# Altium PCB PLD.PcbDoc (part 4 of 5)
Units mm, origin at the board's own origin, x right, y up, seen from the top; angles counter-clockwise.
Board outline 90.25 x 94.44 mm, 6 copper layers (Top, GND, Signal Layer 1, Power, Signal2, Bottom), stack 1.297 mm thick; 378 components, 254 nets, 1301 pads, 704 vias.
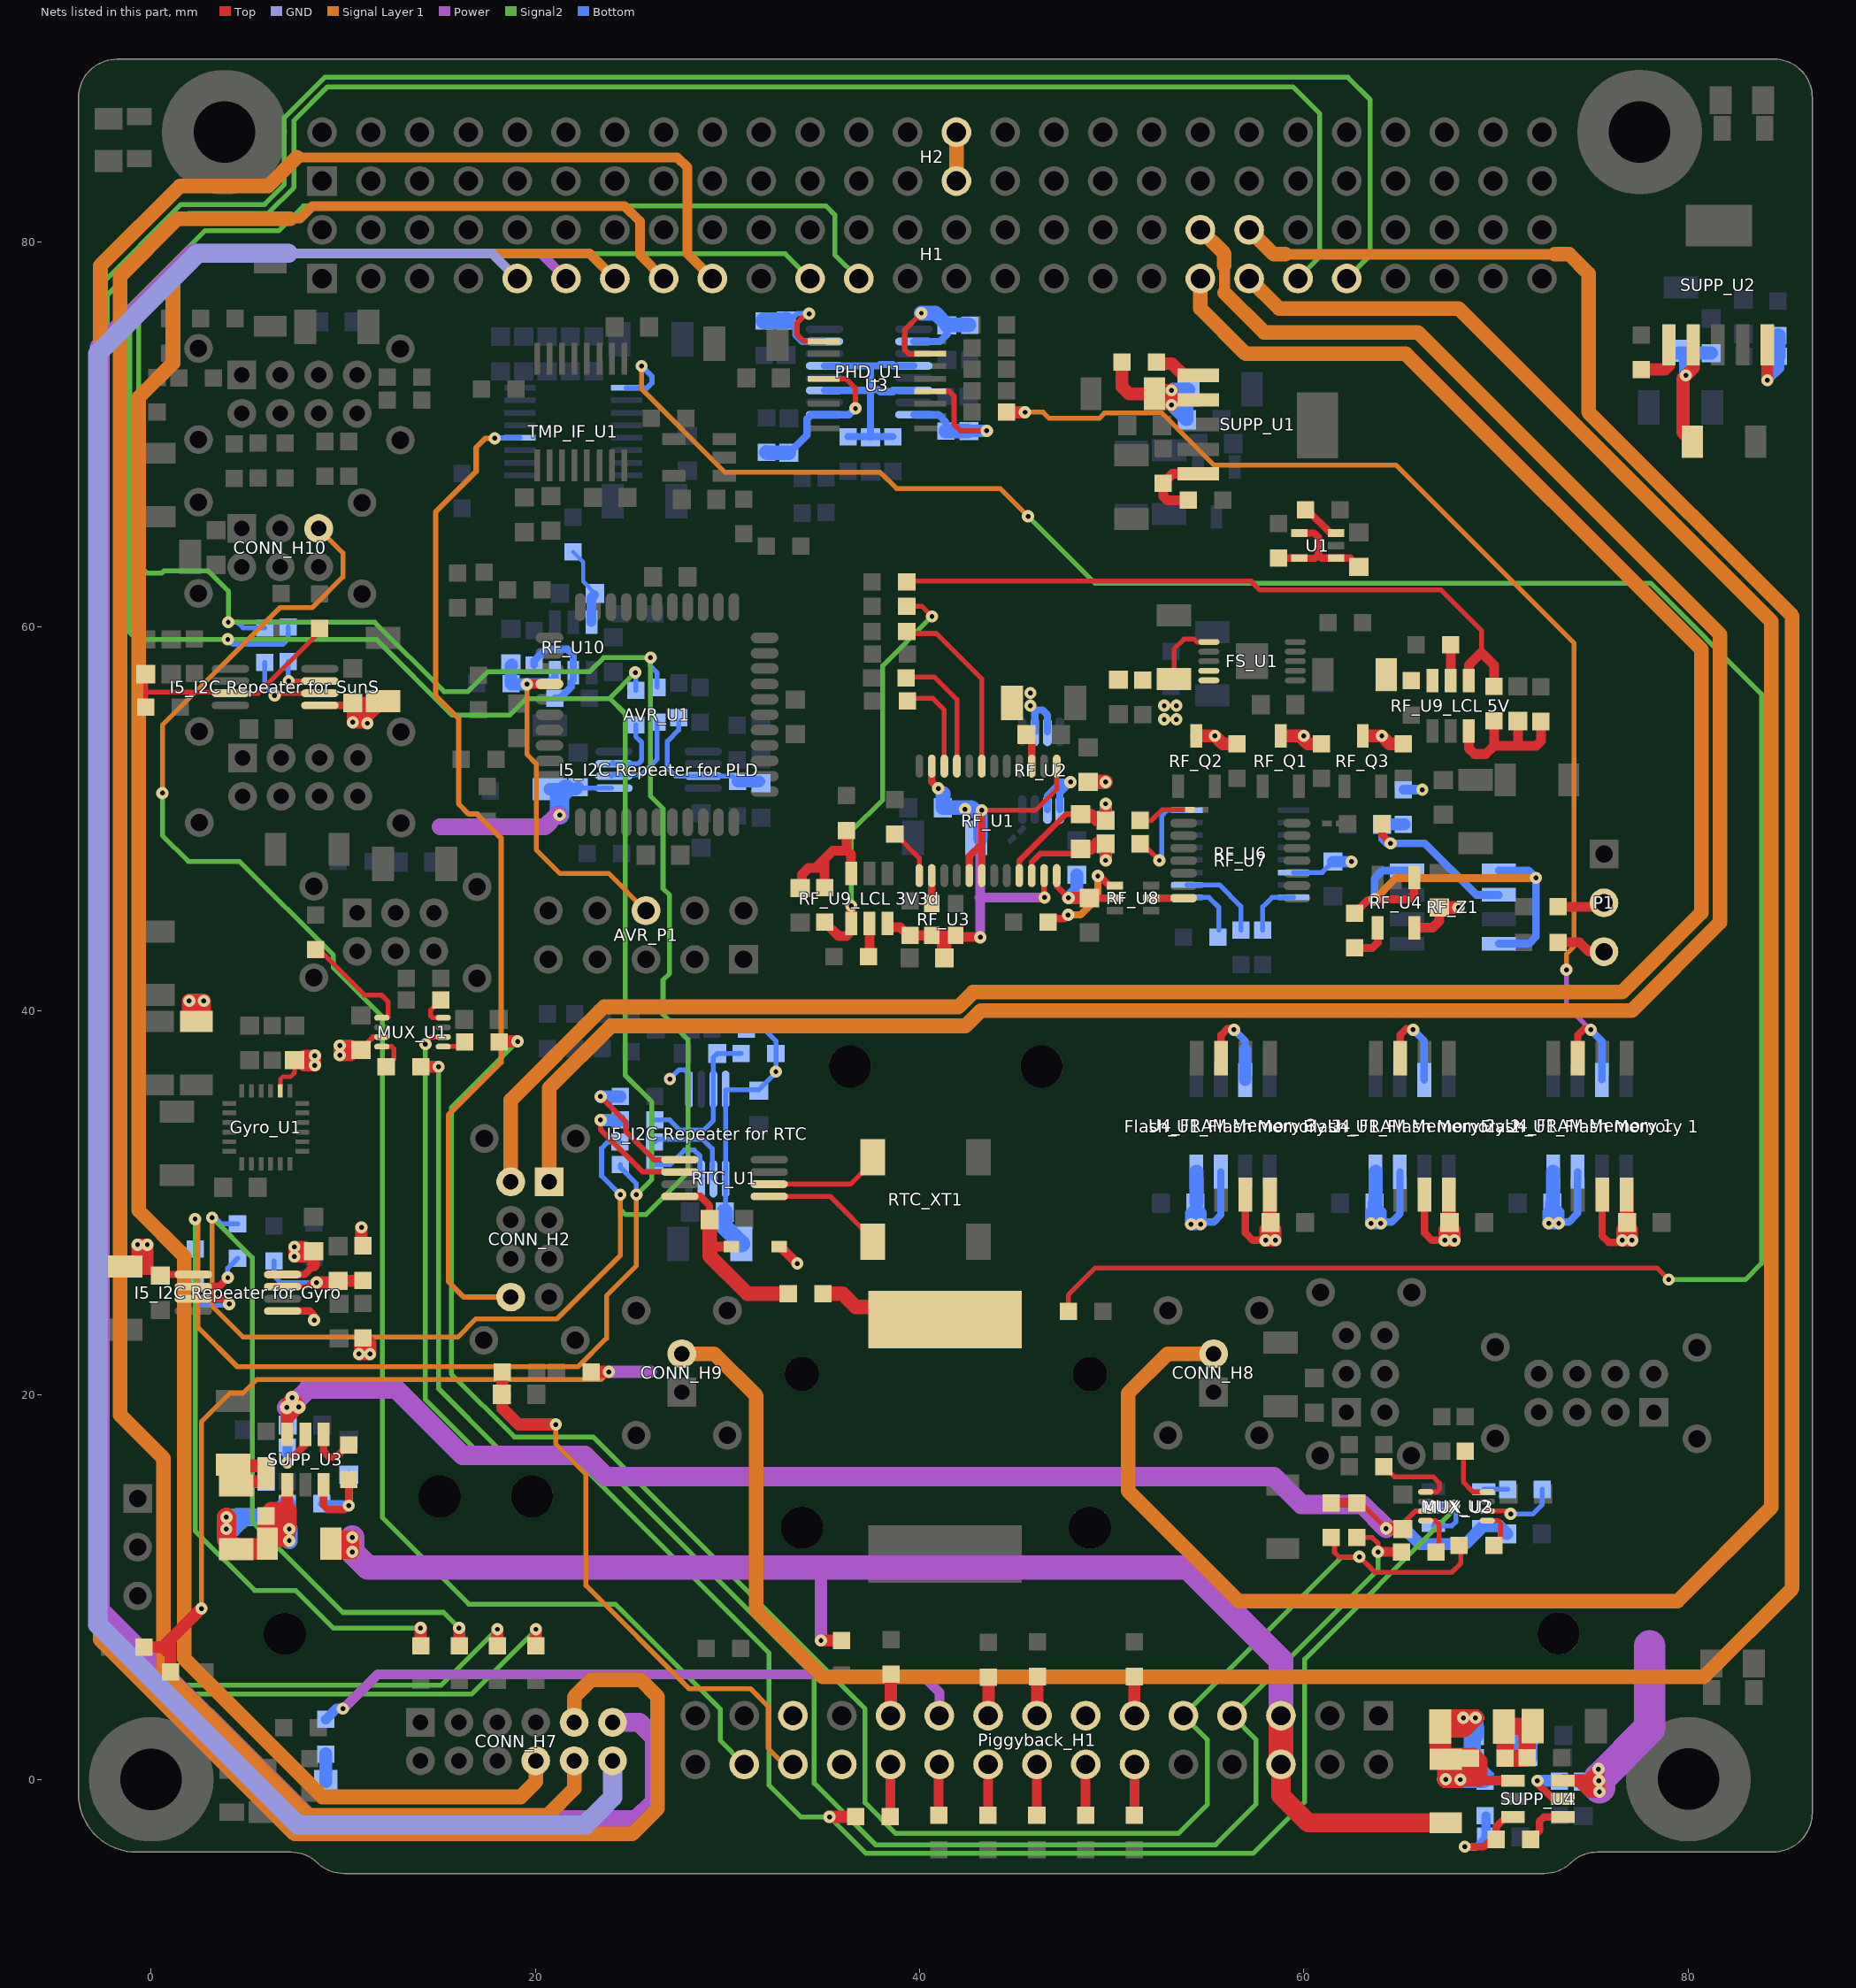
[diagram p8: the nets of this part, all layers, seen from the top]

## Via types
v1: diameter 0.635, hole 0.25, Top to Bottom, 701 vias
v2: diameter 0.7, hole 0.25, Top to Bottom, 3 vias

## Nets (pads, with @x,y where several pads share a name; then routed paths per layer and width w, separated by ;. In a path a pad name is that pad's centre, name@x,y a point inside that pad or via, vN(x,y) a via of type N, cw(c..) or ccw(c..) an arc to the next point about the centre after c; other vN are vias at no path point) (continued)
"NetI2_I2C Repeater for Gyro_2": "I2_I2C Repeater for Gyro.2" "I3_I2C Repeater for Gyro.2" "I5_I2C Repeater for Gyro.7" "I9_I2C Repeater for Gyro.1" | length 7.6
  Top w0.254: 6.842,25.642 8.086,25.642 v1@8.352,25.909 ; 9.469,25.642 9.724,25.898
  Top w0.508: 9.724,25.898 9.775,25.948
  Top w0.635: v1(8.607,25.858) 9.634,25.858 9.724,25.948 9.775,25.948 10.918,25.948 10.943,25.974
  GND w0.254: v1@8.581,25.883 v1(8.607,25.858)
  Bottom w0.254: 6.397,26.99 6.397,26.191 6.73,25.858 v1(8.607,25.858)
"NetI2_I2C Repeater for PLD_2": "I2_I2C Repeater for PLD.2" "I3_I2C Repeater for PLD.2" "I5_I2C Repeater for PLD.7" "I9_I2C Repeater for PLD.1" | length 7.7
  Bottom w0.254: 27.453,55.031 27.453,54.611 26.869,54.026 26.869,52.642 27.288,52.223 28.737,52.223 30.246,52.223 30.527,51.942
  Bottom w0.635: 30.527,51.942 31.633,51.942
"NetI2_I2C Repeater for RTC_2": "I2_I2C Repeater for RTC.2" "I3_I2C Repeater for RTC.2" "I5_I2C Repeater for RTC.7" "I9_I2C Repeater for RTC.1" | length 8.3
  Bottom w0.254: 26.22,34.316 26.996,34.316 27.522,33.79 28.768,33.79 29.263,34.286 29.263,35.912 29.263,37.577 29.464,37.778 30.712,37.778
"NetI2_I2C Repeater for SunS_2": "I2_I2C Repeater for SunS.2" "I3_I2C Repeater for SunS.2" "I5_I2C Repeater for SunS.7" "I9_I2C Repeater for SunS.1" | length 13.2
  Top w0.254: -0.294,55.804 -0.294,57.51 -0.283,57.521 -0.283,56.632 -0.236,56.585 4.123,56.585 4.123,56.528 5.571,56.528 8.759,59.716 8.759,59.908
"NetI3_I2C Repeater for RTC_1": "I3_I2C Repeater for RTC.1" RTC_U1.6 | length 6.6
  Top w0.279: v1(23.389,34.316) 23.389,33.811 25.59,31.611 RTC_U1.6@27.516,31.611
  Bottom w0.635: v1(23.389,34.316) 24.42,34.316
"NetI4_I2C Repeater for Gyro_1": "I4_I2C Repeater for Gyro.1" "I5_I2C Repeater for Gyro.2" | length 3.2
  Top w0.381: 2.192,25.642 3.514,25.642 v1(3.984,26.112)
  Bottom w0.254: v1(3.984,26.112) 3.984,26.609 4.492,27.117
"NetI4_I2C Repeater for PLD_1": "I4_I2C Repeater for PLD.1" "I5_I2C Repeater for PLD.2" | length 4.7
  Bottom w0.254: 23.96,52.223 24.024,52.287 25.523,52.287 26.336,53.099 26.336,55.031
"NetI4_I2C Repeater for RTC_1": "I4_I2C Repeater for RTC.1" "I5_I2C Repeater for RTC.2" | length 4.8
  Bottom w0.254: 26.194,33.173 26.329,33.308 28.717,33.308 29.199,32.825 29.199,31.326 29.263,31.262
"NetI4_I2C Repeater for SunS_1": "I4_I2C Repeater for SunS.1" "I5_I2C Repeater for SunS.2" | length 4.3
  Top w0.254: v1(6.422,56.414) 6.524,56.516 8.773,56.516 8.773,56.528
  Bottom w0.254: 5.914,58.13 5.914,56.922 v1(6.422,56.414)
"NetI5_I2C Repeater for Gyro_3": "I5_I2C Repeater for Gyro.3" "I7_I2C Repeater for Gyro.1" | length 4.7
  Top w0.381: 2.192,25.007 3.793,25.007 v1(4.06,24.74)
  Bottom w0.254: 2.282,25.796 2.282,24.943 2.549,24.677 v1@3.997,24.677
  Bottom w0.381: v1@3.997,24.677 v1(4.06,24.74)
"NetI5_I2C Repeater for PLD_3": "I5_I2C Repeater for PLD.3" "I7_I2C Repeater for PLD.1" | length 3.6
  Bottom w0.254: 23.96,52.858 24.024,52.922 ; 24.087,52.858 25.345,52.858 25.523,53.036 25.523,53.976 25.218,54.28 25.218,54.879
"NetI5_I2C Repeater for RTC_3": "I5_I2C Repeater for RTC.3" "I7_I2C Repeater for RTC.1" | length 4
  Bottom w0.254: 26.22,32.005 27.022,32.005 27.766,32.749 28.26,32.749 28.564,32.444 28.564,31.326 28.628,31.262
"NetI5_I2C Repeater for SunS_3": "I5_I2C Repeater for SunS.3" "I7_I2C Repeater for SunS.1" | length 2.6
  Top w0.254: v1(7.146,57.163) 8.773,57.163
  Bottom w0.254: 7.133,58.181 7.133,57.176 v1(7.146,57.163)
"NetI6_I2C Repeater for RTC_1": "I6_I2C Repeater for RTC.1" RTC_U1.5 | length 6.8
  Top w0.279: v1(23.389,35.535) 24.71,34.214 24.71,33.71 26.174,32.246 RTC_U1.5@27.516,32.246
  Bottom w0.635: v1(23.389,35.535) 24.42,35.535
NetMCU_R14_2: MCU_R14.2 P1.3 | length 2.6
  Top w0.5: MCU_R14.2@73.239,43.561 74.346,43.561 74.828,43.078 P1.3@75.616,43.078
NetMCU_R15_2: MCU_R15.2 P1.2 | length 2.5
  Top w0.5: MCU_R15.2@73.239,45.415 75.413,45.415 P1.2@75.616,45.618
NetMCU_R16_2: "RF_R8_LCL 5V.1" "RF_U9_LCL 5V.4" MCU_R16.2 | length 35.8
  Top w0.254: MCU_R16.2@39.395,62.358 57.251,62.358 57.709,61.9 67.132,61.9 69.236,59.796 69.236,58.649
  Top w0.508: 68.586,57.191 68.586,57.999 69.236,58.649 69.897,57.989 69.897,56.882
NetMCU_R17_2: "RF_R8_LCL 3V3d.1" "RF_U9_LCL 3V3d.4" MCU_R17.2 | length 21.5
  Top w0.254: MCU_R17.2@39.326,61.062 40.107,61.062 v1(40.64,60.528)
  Top w0.508: 35.048,44.617 35.781,43.885 36.184,43.885 36.435,44.136 36.435,44.538 v1(36.435,45.466)
  Signal2 w0.254: v1(36.435,45.466) 36.435,49.338 38.075,50.978 38.075,57.963 v1(40.64,60.528)
NetMUX_R3_1: MUX_R3.1 MUX_U1.8 | length 1.8
  Top w0.254: MUX_R3.1@15.069,40.564 14.535,40.03 14.535,39.741 14.638,39.639 MUX_U1.8@15.2,39.639
NetMUX_R4_1: MUX_R4.1 MUX_U1.1 | length 6.1
  Top w0.254: MUX_R4.1@8.556,43.195 8.719,43.195 11.096,40.818 11.985,40.818 12.34,40.463 12.34,39.675 12.304,39.639 MUX_U1.1@12,39.639
NetMUX_R5_2: MUX_R5.2 MUX_U1.5 | length 1.2
  Top w0.254: MUX_U1.5@15.2,38.139 16.076,38.139 MUX_R5.2@16.317,38.38
NetMUX_R6_2: MUX_R6.2 MUX_U1.4 | length 1.8
  Top w0.254: MUX_U1.4@12,38.139 12.505,38.139 12.62,38.024 12.62,37.477 MUX_R6.2@12.228,37.085
NetMUX_R9_2: MUX_R9.2 MUX_U2.8 | length 3.1
  Top w0.254: MUX_R9.2@68.297,17.084 68.297,15.469 68.806,14.96 MUX_U2.8@69.541,14.96
NetMUX_R10_2: MUX_R10.2 MUX_U2.1 | length 4.3
  Top w0.254: MUX_R10.2@64.167,16.282 64.701,15.749 66.722,15.749 67.052,15.418 67.052,15.088 66.924,14.96 MUX_U2.1@66.341,14.96
NetMUX_R11_1: MUX_R11.1 MUX_U2.5 | length 2
  Top w0.254: MUX_U2.5@69.541,13.46 70.102,13.46 70.227,13.336 70.227,12.512 MUX_R11.1@69.882,12.167
NetMUX_R12_1: MUX_R12.1 MUX_U2.4 | length 1.9
  Top w0.254: MUX_U2.4@66.341,13.46 66.851,13.46 67.027,13.285 67.027,12.283 MUX_R12.1@66.911,12.167
NetMUX_R13_1: MUX_R13.1 MUX_U2.6 | length 3.9
  Top w0.254: MUX_U2.6@69.541,13.96 70.618,13.96 v1(70.76,13.818)
  Bottom w0.254: v1(70.76,13.818) 71.929,13.818 72.397,14.286 MUX_R13.1@72.397,15.088
NetMUX_R13_2: MUX_R13.2 MUX_U3.4 | length 1.2
  Bottom w0.254: MUX_U3.4@69.353,15.098 70.587,15.098 MUX_R13.2@70.597,15.088
NetMUX_R14_1: MUX_R14.1 MUX_U1.6 MUX_U3.1 MUX_U3.2 | length 103.7
  Top w0.254: v1(14.271,38.266) 14.271,38.355 14.555,38.639 MUX_U1.6@15.2,38.639
  Top w0.635: v1(35.302,-1.955) MUX_R14.1@36.75,-1.955
  Signal2 w0.254: v1(14.271,38.266) 14.271,19.765 17.526,16.51 22.225,16.51 32.152,6.583 32.152,-0.301 33.807,-1.955 v1(35.302,-1.955) 37.207,-3.86 57.354,-3.86 60.042,-1.172 60.042,6.249 67.814,14.021 v1(67.814,14.25)
  Bottom w0.254: MUX_U3.1@66.733,13.198 67.702,13.198 67.916,13.412 67.916,14.123 67.814,14.225 v1(67.814,14.25) 66.834,14.25 MUX_U3.2@66.733,14.148
NetOBC_D1_1: OBC_D1.1 OBC_R1.1 | length 1.4
  Bottom w0.686: OBC_D1.1@9.084,-0.118 OBC_R1.1@9.084,1.318
NetRF_C3_1: RF_C3.1 RF_C4.1 RF_U1.15 RF_U2.6 RF_U2.7 | length 4.1
  Top w0.381: RF_U1.15@45.832,52.736 RF_C3.1@45.832,54.107
  Bottom w0.381: RF_U2.6@45.995,54.527 45.995,55.653 46.386,55.653 46.645,55.394 RF_U2.7@46.645,54.527
  other v1: 45.767,55.881 45.767,56.541
NetRF_C9_2: RF_C9.2 RF_R3.2 RF_R5.1 RF_Z1.6 | length 10.7
  Top w0.406: RF_R5.1@64.066,49.734 64.066,49.164 v1(64.512,48.718)
  Bottom w0.406: RF_C9.2@64.066,49.708 64.066,48.961 64.309,48.718 v1@64.503,48.718 ; v1@64.33,48.891 v1@64.503,48.718 ; RF_Z1.6@70.149,46.036 68.972,46.036 66.29,48.718 v1(64.512,48.718) v1@64.503,48.718
  Bottom w0.61: RF_C9.2@64.066,49.708 RF_R3.2@65.172,49.708 RF_R3.2@65.238,49.708
NetRF_C17_2: RF_C17.2 RF_C18.1 RF_R14.2 RF_U1.9 | length 8.1
  Top w0.305: RF_U1.9@45.182,47.036 45.182,47.803 47.607,50.227 RF_C18.1@48.372,50.227
  Top w0.61: RF_C18.1@48.372,50.227 48.894,50.227 49.21,49.912 RF_R14.2@49.682,49.912 v1(49.682,50.775)
  Bottom w0.61: RF_C17.2@49.682,49.912 v1(49.682,50.775)
NetRF_C18_2: RF_C18.2 RF_C19.1 RF_R15.2 RF_U1.10 | length 6.2
  Top w0.305: RF_U1.10@45.832,47.036 45.832,47.734 46.282,48.184 48.129,48.184 RF_C18.2@48.372,48.427
  Top w0.61: RF_C18.2@48.372,48.427 48.92,48.427 RF_R15.2@49.236,48.743 ; v1(49.682,47.829) RF_R15.2@49.682,48.692
  Bottom w0.61: v1(49.682,47.829) RF_C19.1@49.682,48.692
NetRF_C21_1: RF_C21.1 RF_R28.1 RF_U10.3 | length 4.1
  Bottom w0.208: RF_R28.1@21.946,63.895 22.479,63.362 22.479,62.339 RF_C21.1@23.096,61.723
  Bottom w0.508: RF_U10.3@22.917,60.228 22.917,61.508 RF_C21.1@23.045,61.636
"NetRF_C22_LCL 3V3d_1": "RF_C22_LCL 3V3d.1" "RF_R8_LCL 3V3d.2" "RF_R9_LCL 3V3d.1" "RF_U9_LCL 3V3d.3" | length 7.9
  Top w0.508: 33.88,46.392 33.88,47.092 34.223,47.435 34.578,47.435 ; 35.048,46.417 35.048,47.308 34.985,47.372 34.985,47.435 34.578,47.435 ; 35.048,47.372 35.048,47.905 ; 36.191,49.393 36.191,48.388 36.242,48.337 ; 36.435,47.158 36.435,48.144 36.242,48.337 ; 34.578,47.435 35.048,47.905 ; 35.048,47.905 35.48,48.337 36.242,48.337
"NetRF_C22_LCL 5V_1": "RF_C22_LCL 5V.1" "RF_R8_LCL 5V.2" "RF_R9_LCL 5V.1" "RF_U9_LCL 5V.3" | length 8.6
  Top w0.508: 68.586,54.571 68.586,53.661 68.881,53.366 69.465,53.366 69.897,53.798 ; 69.897,55.082 69.897,53.798 ; 71.141,53.874 71.141,55.082 ; 72.335,55.057 72.335,54.052 72.081,53.798 69.897,53.798
NetRF_FB1_2: "RF_R20_LCL 5V.2" "RF_U9_LCL 5V.6" RF_FB1.2
NetRF_J2_1: RF_J2.1 RF_R14.1 | length 2.8
  Top w0.254: RF_R14.1@51.482,49.912 52.066,49.912 52.625,50.47 RF_J2.1@54.047,50.47
NetRF_R1_2: RF_R1.2 RF_U1.1 | length 2.7
  Top w0.254: RF_R1.2@38.706,49.189 38.742,49.189 39.982,47.949 RF_U1.1@39.982,47.036
NetRF_R2_2: RF_R2.2 RF_U1.22 | length 5.1
  Top w0.254: RF_R2.2@39.352,56.262 40.687,56.262 41.282,55.666 RF_U1.22@41.282,52.736
NetRF_R4_1: RF_R4.1 RF_U4.1 RF_Z1.4 RF_Z1.5 RF_Z1.8 | length 23.4
  Top w0.406: RF_R4.1@62.632,45.071 63.333,45.771 v1@63.674,45.771 ; v1(63.674,45.797) 65.452,45.797 65.742,46.087 RF_U4.1@65.742,46.947
  Signal Layer 1 w0.406: v1(63.674,45.797) 64.791,46.914 v1(72.081,46.914)
  Bottom w0.406: v1(63.674,45.797) 63.674,46.889 64.091,47.306 RF_Z1.4@65.369,47.306 ; RF_Z1.8@70.149,43.496 71.711,43.496 72.081,43.866 v1(72.081,46.914) 71.69,47.306 RF_Z1.5@70.149,47.306
NetRF_R4_2: RF_R4.2 RF_U4.4 | length 2.1
  Top w0.406: RF_R4.2@62.632,43.271 63.561,43.271 63.842,43.552 RF_U4.4@63.842,44.327
NetRF_R6_2: RF_R6.2 RF_U6.16 | length 3
  Bottom w0.254: RF_R6.2@57.857,44.208 57.857,45.416 58.343,45.902 RF_U6.16@59.464,45.902
NetRF_R7_2: RF_R7.2 RF_U8.1 | length 5.4
  Top w0.381: RF_R7.2@46.682,44.623 46.682,44.797 47.53,44.797 v1(47.725,44.992) ; v1(49.272,47.016) 49.374,47.016 49.875,46.514 RF_U8.1@50.151,46.514
  Signal Layer 1 w0.381: v1(47.725,44.992) 48.373,44.992 49.272,45.891 v1(49.272,47.016)
NetRF_R15_1: RF_R15.1 RF_U6.8 | length 5
  Top w0.254: RF_R15.1@51.482,48.692 51.609,48.692 v1(52.472,47.829)
  Bottom w0.254: v1@52.599,47.956 52.599,50.166 52.886,50.452 RF_U6.8@53.914,50.452
"NetRF_R19_LCL 3V3d_2": "RF_R19_LCL 3V3d.2" "RF_U9_LCL 3V3d.5" | length 1.6
  Top w0.508: 37.385,42.977 37.385,44.538
"NetRF_R19_LCL 5V_2": "RF_R19_LCL 5V.2" "RF_U9_LCL 5V.5" | length 1.9
  Top w0.508: 67.636,57.191 67.636,59.056
NetRF_R21_1: RF_R21.1 RF_R22.2 RF_U10.5 | length 5.4
  Bottom w0.381: RF_R22.2@19.935,57.992 19.935,58.233 20.518,58.816 21.676,58.816 21.967,58.526 RF_U10.5@21.967,57.608 21.967,57.201 21.865,57.1 21.865,56.871 21.27,56.276 RF_R21.1@21.016,56.276
NetRF_R23_2: RF_R23.2 RF_U6.2 | length 4.5
  Bottom w0.254: RF_U6.2@53.914,46.552 55.603,46.552 56.714,45.441 RF_R23.2@56.714,44.208
NetRF_R24_2: RF_R24.2 RF_U6.1 | length 3.1
  Bottom w0.254: RF_U6.1@53.914,45.902 55.06,45.902 55.571,45.39 RF_R24.2@55.571,44.208
NetRF_R25_2: RF_R25.2 RF_U1.21 | length 6.5
  Top w0.254: RF_R25.2@39.352,57.379 40.763,57.379 41.932,56.21 RF_U1.21@41.932,52.736
NetRF_R27_2: RF_R27.2 RF_U1.19 | length 9.4
  Top w0.254: RF_R27.2@39.352,59.64 40.865,59.64 43.232,57.272 RF_U1.19@43.232,52.736
NetRF_U1_2: RF_U1.2 RF_U3.3 | length 1.3
  Top w0.381: RF_U3.3@40.611,45.585 RF_U3.3@40.621,45.575 ; RF_U3.3@40.632,45.72 RF_U1.2@40.632,47.036
NetRF_U7_7: RF_U7.7 RF_U8.5 | length 1.7
  Top w0.381: RF_U8.5@52.051,45.864 RF_U7.7@53.739,45.864
NetRTC_C1_1: RTC_C1.1 RTC_D1.K RTC_R1.1 RTC_U1.8 | length 10.4
  Top w0.381: RTC_U1.8@27.509,30.338 28.587,30.338 29.061,29.863 RTC_C1.1@29.061,29.131
  Top w0.508: 29.061,27.772 29.081,27.753 29.096,27.737 RTC_D1.K@30.191,27.737
  Top w0.762: 29.061,27.772 29.074,27.785 29.074,29.118 RTC_C1.1@29.061,29.131 ; 29.081,27.788 29.081,27.753 29.081,27.227 31.035,25.274 RTC_R1.1@33.157,25.274
NetRTC_C2_1: RTC_C2.1 RTC_R1.2 | length 6.8
  Top w0.762: RTC_R1.2@34.957,25.274 35.988,25.274 36.67,24.592 RTC_C2.1@41.5,24.592
NetRTC_U1_1: RTC_U1.1 RTC_XT1.1 | length 7
  Top w0.254: RTC_U1.1@32.166,30.341 35.34,30.341 37.607,28.074 RTC_XT1.1@37.607,27.469
NetRTC_U1_2: RTC_U1.2 RTC_XT1.4 | length 5.8
  Top w0.254: RTC_U1.2@32.166,30.976 36.407,30.976 37.3,31.869 RTC_XT1.4@37.607,31.869
NetSUPP_C2_1: SUPP_C2.1 SUPP_C3.1 SUPP_FB1.2 SUPP_R4.1 SUPP_U1.2 | length 10.3
  Top w0.66: SUPP_R4.1@50.531,73.686 50.531,72.478 50.898,72.111 SUPP_FB1.2@52.217,72.111 ; v1(53.107,71.527) v1@53.107,71.589 ; SUPP_FB1.2@52.217,72.111 52.395,72.289 v1(53.107,72.289) v1@53.107,71.589 ; SUPP_FB1.2@52.217,72.111 52.74,71.589 v1@53.107,71.589
  Bottom w0.66: SUPP_C2.1@53.997,72.34 SUPP_C2.1@53.972,72.365 ; SUPP_C2.1@53.972,72.365 53.184,72.365 v1(53.107,72.289) v1(53.107,71.527) 53.869,70.765 SUPP_C3.1@53.909,70.765 53.909,72.302 SUPP_C2.1@53.972,72.365
NetSUPP_C11_1: SUPP_C11.1 SUPP_C12.1 SUPP_FB3.2 SUPP_U2.2 | length 8.2
  Top w0.686: SUPP_FB3.2@80.21,69.622 79.727,70.106 79.727,72.924 v1(79.879,73.076) 80.27,73.467 SUPP_U2.2@80.27,74.668
  Bottom w0.686: SUPP_C11.1@79.511,74.234 SUPP_C12.1@81.2,74.234 ; v1(79.879,73.076) SUPP_C11.1@79.879,74.093
NetSUPP_C17_1: SUPP_C17.1 SUPP_C18.1 SUPP_FB5.2 SUPP_R12.1 SUPP_R14.1 SUPP_R15.1 SUPP_U3.1 | length 22.8
  Top w0.61: SUPP_U3.1@7.075,15.327 7.075,14.046 7.125,13.996
  Top w0.635: SUPP_FB5.2@5.967,12.346 6.043,12.421 v1(7.184,12.421) 7.184,13.028 v1(7.187,13.031)
  Top w0.762: 5.967,13.132 6.069,13.031 v1(7.187,13.031) 7.187,13.934 7.125,13.996
  Top w0.889: SUPP_FB5.2@6.045,12.269 5.967,12.346 5.967,13.132 SUPP_R14.1@5.967,13.705 ; 6.729,13.513 6.159,13.513 SUPP_R14.1@5.967,13.705 ; 7.125,13.996 6.258,13.996 SUPP_R14.1@5.967,13.705
  Top w1.016: v1(3.91,13.64) 3.91,12.498 SUPP_C17.1@4.418,11.99
  Top w1.143: SUPP_C17.1@4.418,11.99 SUPP_FB5.2@5.967,11.99
  Bottom w0.762: SUPP_C18.1@4.835,13.64 SUPP_C18.1@4.85,13.655
  Bottom w0.889: SUPP_C18.1@4.835,13.64 4.226,13.031 v1(3.908,13.031) 3.908,13.638 v1(3.91,13.64) 3.924,13.655 SUPP_C18.1@4.85,13.655 SUPP_R15.1@5.942,13.655 ; v1(7.187,13.031) v1@7.184,13.033 ; SUPP_R15.1@5.942,13.655 SUPP_R15.1@5.967,13.655 ; SUPP_R15.1@5.942,13.655 SUPP_R15.1@5.967,13.68 ; SUPP_R15.1@5.967,13.655 6.563,13.655 v1@7.074,13.143 ; SUPP_R15.1@5.967,13.655 5.967,13.638 v1(7.184,12.421) v1@7.184,13.033 ; SUPP_R15.1@5.967,13.655 SUPP_R15.1@5.967,13.68 ; SUPP_R15.1@5.967,13.68 6.402,13.68 SUPP_R12.1@7.074,14.351 v1@7.074,13.143 ; v1@7.074,13.143 v1@7.184,13.033
NetSUPP_C17_2: SUPP_C17.2 SUPP_C22.1 SUPP_R14.2 SUPP_R17.1 | length 3.2
  Top w0.66: SUPP_C17.2@4.418,15.29 4.633,15.505 SUPP_R14.2@5.967,15.505 ; SUPP_C22.1@4.418,16.41 4.506,16.322 SUPP_R17.1@5.967,16.322
NetSUPP_C18_2: SUPP_C18.2 SUPP_C21.1 SUPP_R15.2 SUPP_R18.1 | length 2.3
  Bottom w0.635: SUPP_C18.2@4.85,15.455 4.875,15.48 SUPP_R15.2@5.967,15.48 ; SUPP_C21.1@4.85,16.398 4.926,16.322 SUPP_R18.1@5.967,16.322
NetSUPP_C27_1: SUPP_C27.1 SUPP_C28.1 SUPP_FB9.2 SUPP_R1.1 SUPP_R6.1 SUPP_R9.1 SUPP_U4.1 | length 29.1
  Top w0.508: 69.109,0.047 69.221,-0.065 SUPP_U4.1@70.873,-0.065
  Top w0.762: SUPP_R6.1@68.245,1.204 68.144,1.103 v1(68.144,-0.015) 69.047,-0.015 69.109,0.047
  Top w0.889: SUPP_C27.1@67.103,2.754 67.551,3.201 v1(68.297,3.201) v1(68.932,3.201) 68.373,2.642 SUPP_C27.1@67.357,2.642 ; SUPP_FB9.2@67.382,1.127 67.459,1.204 68.245,1.204 SUPP_R6.1@68.818,1.204 ; SUPP_FB9.2@67.382,1.041 v1(67.382,0.001) 67.398,-0.015 v1(68.144,-0.015) ; 68.626,0.442 68.626,1.012 SUPP_R6.1@68.818,1.204 ; 69.109,0.047 69.109,0.914 SUPP_R6.1@68.818,1.204
  Top w1.143: SUPP_FB9.2@67.103,1.204 SUPP_C27.1@67.103,2.754 68.245,2.754 68.297,2.805
  Bottom w0.508: SUPP_C28.1@68.858,2.139 68.858,1.056 68.858,0.971 68.883,0.946 68.883,0.678 SUPP_R9.1@68.883,0.675
  Bottom w0.762: v1(68.297,3.201) 68.297,2.793 SUPP_C28.1@68.768,2.322
  Bottom w0.889: v1(67.382,0.001) 67.803,0.001 ; v1(68.297,3.201) v1(68.932,3.201) 68.895,3.165 SUPP_C28.1@68.895,2.287 ; SUPP_C28.1@68.768,2.322 SUPP_R9.1@68.768,1.23 ; SUPP_R9.1@68.921,1.118 68.858,1.056 SUPP_R9.1@68.793,0.991 ; 67.803,0.001 SUPP_R9.1@68.768,0.965 ; 67.803,0.001 v1@68.159,0.001 ; v1@68.159,0.001 v1@68.256,0.098 ; v1@68.159,0.001 v1(68.144,-0.015) 69.352,-0.015 SUPP_R1.1@69.464,0.098 ; v1@68.256,0.098 SUPP_R1.1@69.464,0.098 ; v1@68.256,0.098 68.768,0.609 SUPP_R9.1@68.768,0.965 ; SUPP_R9.1@68.768,0.965 SUPP_R9.1@68.768,1.23 ; SUPP_R9.1@68.768,0.965 SUPP_R9.1@68.793,0.991 ; SUPP_R9.1@68.768,1.23 68.793,1.204 SUPP_R9.1@68.793,0.991 ; SUPP_R9.1@68.793,0.991 68.793,0.769 68.883,0.678 SUPP_R1.1@69.464,0.098
NetSUPP_C27_2: SUPP_C27.2 SUPP_C30.1 SUPP_R6.2 SUPP_R20.1 | length 5.9
  Top w0.889: SUPP_C27.2@70.403,2.754 70.467,2.69 SUPP_R6.2@70.467,1.093 71.588,1.093 SUPP_R20.1@71.613,1.118 71.613,2.615 71.751,2.754 SUPP_C27.2@70.403,2.754
NetSUPP_C28_2: SUPP_C28.2 SUPP_C29.1 SUPP_R9.2 SUPP_R21.1 | length 4.3
  Bottom w0.889: SUPP_C28.2@70.695,2.287 70.721,2.261 SUPP_R9.2@70.721,1.118 70.746,1.144 SUPP_R21.1@71.715,1.144 SUPP_C29.1@71.715,2.287 SUPP_C28.2@70.695,2.287
NetSUPP_C31_2: SUPP_C31.2 SUPP_R12.2 SUPP_R13.2 SUPP_U3.3 | length 7
  Top w0.381: SUPP_U3.3@8.975,15.327 8.975,14.263 9.192,14.046 10.079,14.046 v1(10.283,14.25) SUPP_R13.2@10.283,15.611
  Bottom w0.381: SUPP_R12.2@8.874,14.351 10.182,14.351 v1(10.283,14.25) SUPP_C31.2@10.283,15.865
NetSUPP_C32_2: SUPP_C32.2 SUPP_R1.2 SUPP_R5.2 SUPP_U4.3 | length 6
  Top w0.381: v1(68.373,-3.505) 69.368,-3.505 69.749,-3.124 SUPP_R5.2@70.013,-3.124 70.013,-2.449 70.496,-1.965 SUPP_U4.3@70.873,-1.965
  Bottom w0.381: v1(68.373,-3.505) 68.971,-3.505 SUPP_C32.2@69.479,-2.997 ; SUPP_R1.2@69.44,-1.89 SUPP_R1.2@69.479,-1.93